# Allegro board LED_FIN.brd (continued)
## Nets (continued)
COL_CON_A55: J4.16(DIP_16) U219.1(GATE)
COL_CON_A56: J4.17(DIP_17) U218.1(GATE)
COL_CON_A57: J4.18(DIP_18) U217.1(GATE)
COL_CON_A58: J4.19(DIP_19) U216.1(GATE)
COL_CON_A59: J4.20(DIP_20) U215.1(GATE)
COL_CON_A60: J4.21(DIP_21) U214.1(GATE)
COL_CON_A61: J4.22(DIP_22) U213.1(GATE)
COL_CON_A62: J4.23(DIP_23) U212.1(GATE)
COL_CON_A63: J4.24(DIP_24) U211.1(GATE)
COL_CON_A64: J4.25(DIP_25) U210.1(GATE)
COL_CON_A65: J4.26(DIP_26) U209.1(GATE)
COL_CON_A66: J4.27(DIP_27) U208.1(GATE)
COL_CON_A67: J4.28(DIP_28) U207.1(GATE)
COL_CON_A68: J4.29(DIP_29) U206.1(GATE)
COL_CON_A69: J4.30(DIP_30) U205.1(GATE)
COL_CON_A70: J4.31(DIP_31) U204.1(GATE)
COL_CON_A71: J4.32(DIP_32) U203.1(GATE)
COL_CON_A72: J4.33(DIP_33) U202.1(GATE)
COL_CON_A73: J4.34(DIP_34) U201.1(GATE)
COL_CON_A74: J4.35(DIP_35) U200.1(GATE)
COL_CON_A75: J4.36(DIP_36) U199.1(GATE)
COL_CON_A76: J4.37(DIP_37) U198.1(GATE)
COL_CON_A77: J4.38(DIP_38) U197.1(GATE)
COL_CON_A78: J4.39(DIP_39) U196.1(GATE)
COL_CON_A79: J4.40(DIP_40) U195.1(GATE)
COL_CON_A80: J5.1(DIP_1) U194.1(GATE)
COL_CON_A81: J5.2(DIP_2) U193.1(GATE)
COL_CON_A82: J5.3(DIP_3) U192.1(GATE)
COL_CON_A83: J5.4(DIP_4) U191.1(GATE)
COL_CON_A84: J5.5(DIP_5) U190.1(GATE)
COL_CON_A85: J5.6(DIP_6) U189.1(GATE)
COL_CON_A86: J5.7(DIP_7) U188.1(GATE)
COL_CON_A87: J5.8(DIP_8) U187.1(GATE)
COL_CON_A88: J5.9(DIP_9) U186.1(GATE)
COL_CON_A89: J5.10(DIP_10) U185.1(GATE)
COL_CON_A90: J5.11(DIP_11) U184.1(GATE)
COL_CON_A91: J5.12(DIP_12) U183.1(GATE)
COL_CON_A92: J5.13(DIP_13) U182.1(GATE)
COL_CON_A93: J5.14(DIP_14) U181.1(GATE)
COL_CON_A94: J5.15(DIP_15) U180.1(GATE)
COL_CON_A95: J5.16(DIP_16) U179.1(GATE)
COL_CON_A96: J5.17(DIP_17) U178.1(GATE)
COL_CON_A97: J5.18(DIP_18) U177.1(GATE)
COL_CON_A98: J5.19(DIP_19) U176.1(GATE)
COL_CON_A99: J5.20(DIP_20) U175.1(GATE)
COL_CON_A100: J5.21(DIP_21) U174.1(GATE)
COL_CON_A101: J5.22(DIP_22) U173.1(GATE)
COL_CON_A102: J5.23(DIP_23) U172.1(GATE)
COL_CON_A103: J5.24(DIP_24) U171.1(GATE)
COL_CON_A104: J5.25(DIP_25) U170.1(GATE)
COL_CON_A105: J5.26(DIP_26) U169.1(GATE)
COL_CON_A106: J5.27(DIP_27) U168.1(GATE)
COL_CON_A107: J5.28(DIP_28) U167.1(GATE)
COL_CON_A108: J5.29(DIP_29) U166.1(GATE)
COL_CON_A109: J5.30(DIP_30) U165.1(GATE)
COL_CON_A110: J5.31(DIP_31) U164.1(GATE)
COL_CON_A111: J5.32(DIP_32) U163.1(GATE)
COL_CON_A112: J5.33(DIP_33) U162.1(GATE)
COL_CON_A113: J5.34(DIP_34) U161.1(GATE)
COL_CON_A114: J5.35(DIP_35) U160.1(GATE)
COL_CON_A115: J5.36(DIP_36) U159.1(GATE)
COL_CON_A116: J5.37(DIP_37) U158.1(GATE)
COL_CON_A117: J5.38(DIP_38) U157.1(GATE)
COL_CON_A118: J5.39(DIP_39) U156.1(GATE)
COL_CON_A119: J5.40(DIP_40) U155.1(GATE)
COL_CON_B0: J3.41(DIP_41) U343.1(GATE)
COL_CON_B1: J3.42(DIP_42) U342.1(GATE)
COL_CON_B2: J3.43(DIP_43) U341.1(GATE)
COL_CON_B3: J3.44(DIP_44) U340.1(GATE)
COL_CON_B4: J3.45(DIP_45) U339.1(GATE)
COL_CON_B5: J3.46(DIP_46) U338.1(GATE)
COL_CON_B6: J3.47(DIP_47) U337.1(GATE)
COL_CON_B7: J3.48(DIP_48) U336.1(GATE)
COL_CON_B8: J3.49(DIP_49) U335.1(GATE)
COL_CON_B9: J3.50(DIP_50) U334.1(GATE)
COL_CON_B10: J3.51(DIP_51) U333.1(GATE)
COL_CON_B11: J3.52(DIP_52) U332.1(GATE)
COL_CON_B12: J3.53(DIP_53) U331.1(GATE)
COL_CON_B13: J3.54(DIP_54) U330.1(GATE)
COL_CON_B14: J3.55(DIP_55) U329.1(GATE)
COL_CON_B15: J3.56(DIP_56) U328.1(GATE)
COL_CON_B16: J3.57(DIP_57) U327.1(GATE)
COL_CON_B17: J3.58(DIP_58) U326.1(GATE)
COL_CON_B18: J3.59(DIP_59) U325.1(GATE)
COL_CON_B19: J3.60(DIP_60) U324.1(GATE)
COL_CON_B20: J3.61(DIP_61) U323.1(GATE)
COL_CON_B21: J3.62(DIP_62) U322.1(GATE)
COL_CON_B22: J3.63(DIP_63) U321.1(GATE)
COL_CON_B23: J3.64(DIP_64) U320.1(GATE)
COL_CON_B24: J3.65(DIP_65) U319.1(GATE)
COL_CON_B25: J3.66(DIP_66) U318.1(GATE)
COL_CON_B26: J3.67(DIP_67) U317.1(GATE)
COL_CON_B27: J3.68(DIP_68) U316.1(GATE)
COL_CON_B28: J3.69(DIP_69) U315.1(GATE)
COL_CON_B29: J3.70(DIP_70) U314.1(GATE)
COL_CON_B30: J3.71(DIP_71) U311.1(GATE)
COL_CON_B31: J3.72(DIP_72) U310.1(GATE)
COL_CON_B32: J3.73(DIP_73) U309.1(GATE)
COL_CON_B33: J3.74(DIP_74) U308.1(GATE)
COL_CON_B34: J3.75(DIP_75) U307.1(GATE)
COL_CON_B35: J3.76(DIP_76) U306.1(GATE)
COL_CON_B36: J3.77(DIP_77) U305.1(GATE)
COL_CON_B37: J3.78(DIP_78) U304.1(GATE)
COL_CON_B38: J3.79(DIP_79) U303.1(GATE)
COL_CON_B39: J3.80(DIP_80) U302.1(GATE)
COL_CON_B40: J4.41(DIP_41) U301.1(GATE)
COL_CON_B41: J4.42(DIP_42) U300.1(GATE)
COL_CON_B42: J4.43(DIP_43) U299.1(GATE)
COL_CON_B43: J4.44(DIP_44) U298.1(GATE)
COL_CON_B44: J4.45(DIP_45) U297.1(GATE)
COL_CON_B45: J4.46(DIP_46) U296.1(GATE)
COL_CON_B46: J4.47(DIP_47) U295.1(GATE)
COL_CON_B47: J4.48(DIP_48) U294.1(GATE)
COL_CON_B48: J4.49(DIP_49) U293.1(GATE)
COL_CON_B49: J4.50(DIP_50) U292.1(GATE)
COL_CON_B50: J4.51(DIP_51) U291.1(GATE)
COL_CON_B51: J4.52(DIP_52) U290.1(GATE)
COL_CON_B52: J4.53(DIP_53) U289.1(GATE)
COL_CON_B53: J4.54(DIP_54) U288.1(GATE)
COL_CON_B54: J4.55(DIP_55) U287.1(GATE)
COL_CON_B55: J4.56(DIP_56) U286.1(GATE)
COL_CON_B56: J4.57(DIP_57) U285.1(GATE)
COL_CON_B57: J4.58(DIP_58) U284.1(GATE)
COL_CON_B58: J4.59(DIP_59) U283.1(GATE)
COL_CON_B59: J4.60(DIP_60) U282.1(GATE)
COL_CON_B60: J4.61(DIP_61) U281.1(GATE)
COL_CON_B61: J4.62(DIP_62) U280.1(GATE)
COL_CON_B62: J4.63(DIP_63) U279.1(GATE)
COL_CON_B63: J4.64(DIP_64) U278.1(GATE)
COL_CON_B64: J4.65(DIP_65) U277.1(GATE)
COL_CON_B65: J4.66(DIP_66) U276.1(GATE)
COL_CON_B66: J4.67(DIP_67) U275.1(GATE)
COL_CON_B67: J4.68(DIP_68) U394.1(GATE)
COL_CON_B68: J4.69(DIP_69) U393.1(GATE)
COL_CON_B69: J4.70(DIP_70) U392.1(GATE)
COL_CON_B70: J4.71(DIP_71) U391.1(GATE)
COL_CON_B71: J4.72(DIP_72) U390.1(GATE)
COL_CON_B72: J4.73(DIP_73) U389.1(GATE)
COL_CON_B73: J4.74(DIP_74) U388.1(GATE)
COL_CON_B74: J4.75(DIP_75) U387.1(GATE)
COL_CON_B75: J4.76(DIP_76) U386.1(GATE)
COL_CON_B76: J4.77(DIP_77) U385.1(GATE)
COL_CON_B77: J4.78(DIP_78) U384.1(GATE)
COL_CON_B78: J4.79(DIP_79) U383.1(GATE)
COL_CON_B79: J4.80(DIP_80) U382.1(GATE)
COL_CON_B80: J5.41(DIP_41) U381.1(GATE)
COL_CON_B81: J5.42(DIP_42) U380.1(GATE)
COL_CON_B82: J5.43(DIP_43) U379.1(GATE)
COL_CON_B83: J5.44(DIP_44) U378.1(GATE)
COL_CON_B84: J5.45(DIP_45) U377.1(GATE)
COL_CON_B85: J5.46(DIP_46) U376.1(GATE)
COL_CON_B86: J5.47(DIP_47) U375.1(GATE)
COL_CON_B87: J5.48(DIP_48) U374.1(GATE)
COL_CON_B88: J5.49(DIP_49) U373.1(GATE)
COL_CON_B89: J5.50(DIP_50) U372.1(GATE)
COL_CON_B90: J5.51(DIP_51) U371.1(GATE)
COL_CON_B91: J5.52(DIP_52) U370.1(GATE)
COL_CON_B92: J5.53(DIP_53) U369.1(GATE)
COL_CON_B93: J5.54(DIP_54) U368.1(GATE)
COL_CON_B94: J5.55(DIP_55) U367.1(GATE)
COL_CON_B95: J5.56(DIP_56) U366.1(GATE)
COL_CON_B96: J5.57(DIP_57) U365.1(GATE)
COL_CON_B97: J5.58(DIP_58) U364.1(GATE)
COL_CON_B98: J5.59(DIP_59) U363.1(GATE)
COL_CON_B99: J5.60(DIP_60) U362.1(GATE)
COL_CON_B100: J5.61(DIP_61) U361.1(GATE)
COL_CON_B101: J5.62(DIP_62) U360.1(GATE)
COL_CON_B102: J5.63(DIP_63) U359.1(GATE)
COL_CON_B103: J5.64(DIP_64) U358.1(GATE)
COL_CON_B104: J5.65(DIP_65) U357.1(GATE)
COL_CON_B105: J5.66(DIP_66) U356.1(GATE)
COL_CON_B106: J5.67(DIP_67) U355.1(GATE)
COL_CON_B107: J5.68(DIP_68) U354.1(GATE)
COL_CON_B108: J5.69(DIP_69) U353.1(GATE)
COL_CON_B109: J5.70(DIP_70) U352.1(GATE)
COL_CON_B110: J5.71(DIP_71) U351.1(GATE)
COL_CON_B111: J5.72(DIP_72) U350.1(GATE)
COL_CON_B112: J5.73(DIP_73) U349.1(GATE)
COL_CON_B113: J5.74(DIP_74) U348.1(GATE)
COL_CON_B114: J5.75(DIP_75) U347.1(GATE)
COL_CON_B115: J5.76(DIP_76) U346.1(GATE)
COL_CON_B116: J5.77(DIP_77) U345.1(GATE)
COL_CON_B117: J5.78(DIP_78) U344.1(GATE)
COL_CON_B118: J5.79(DIP_79) U313.1(GATE)
COL_CON_B119: J5.80(DIP_80) U312.1(GATE)
COL_CON_C0: J6.1(DIP_1) U463.1(GATE)
COL_CON_C1: J6.2(DIP_2) U462.1(GATE)
COL_CON_C2: J6.3(DIP_3) U461.1(GATE)
COL_CON_C3: J6.4(DIP_4) U460.1(GATE)
COL_CON_C4: J6.5(DIP_5) U459.1(GATE)
COL_CON_C5: J6.6(DIP_6) U458.1(GATE)
COL_CON_C6: J6.7(DIP_7) U457.1(GATE)
COL_CON_C7: J6.8(DIP_8) U456.1(GATE)
COL_CON_C8: J6.9(DIP_9) U455.1(GATE)
COL_CON_C9: J6.10(DIP_10) U454.1(GATE)
COL_CON_C10: J6.11(DIP_11) U453.1(GATE)
COL_CON_C11: J6.12(DIP_12) U452.1(GATE)
COL_CON_C12: J6.13(DIP_13) U451.1(GATE)
COL_CON_C13: J6.14(DIP_14) U450.1(GATE)
COL_CON_C14: J6.15(DIP_15) U449.1(GATE)
COL_CON_C15: J6.16(DIP_16) U448.1(GATE)
COL_CON_C16: J6.17(DIP_17) U447.1(GATE)
COL_CON_C17: J6.18(DIP_18) U446.1(GATE)
COL_CON_C18: J6.19(DIP_19) U445.1(GATE)
COL_CON_C19: J6.20(DIP_20) U444.1(GATE)
COL_CON_C20: J6.21(DIP_21) U443.1(GATE)
COL_CON_C21: J6.22(DIP_22) U442.1(GATE)
COL_CON_C22: J6.23(DIP_23) U441.1(GATE)
COL_CON_C23: J6.24(DIP_24) U440.1(GATE)
COL_CON_C24: J6.25(DIP_25) U439.1(GATE)
COL_CON_C25: J6.26(DIP_26) U438.1(GATE)
COL_CON_C26: J6.27(DIP_27) U437.1(GATE)
COL_CON_C27: J6.28(DIP_28) U436.1(GATE)
COL_CON_C28: J6.29(DIP_29) U435.1(GATE)
COL_CON_C29: J6.30(DIP_30) U434.1(GATE)
COL_CON_C30: J6.31(DIP_31) U431.1(GATE)
COL_CON_C31: J6.32(DIP_32) U430.1(GATE)
COL_CON_C32: J6.33(DIP_33) U429.1(GATE)
COL_CON_C33: J6.34(DIP_34) U428.1(GATE)
COL_CON_C34: J6.35(DIP_35) U427.1(GATE)
COL_CON_C35: J6.36(DIP_36) U426.1(GATE)
COL_CON_C36: J6.37(DIP_37) U425.1(GATE)
COL_CON_C37: J6.38(DIP_38) U424.1(GATE)
COL_CON_C38: J6.39(DIP_39) U423.1(GATE)
COL_CON_C39: J6.40(DIP_40) U422.1(GATE)
COL_CON_C40: J7.1(DIP_1) U421.1(GATE)
COL_CON_C41: J7.2(DIP_2) U420.1(GATE)
COL_CON_C42: J7.3(DIP_3) U419.1(GATE)
COL_CON_C43: J7.4(DIP_4) U418.1(GATE)
COL_CON_C44: J7.5(DIP_5) U417.1(GATE)
COL_CON_C45: J7.6(DIP_6) U416.1(GATE)
COL_CON_C46: J7.7(DIP_7) U415.1(GATE)
COL_CON_C47: J7.8(DIP_8) U414.1(GATE)
COL_CON_C48: J7.9(DIP_9) U413.1(GATE)
COL_CON_C49: J7.10(DIP_10) U412.1(GATE)
COL_CON_C50: J7.11(DIP_11) U411.1(GATE)
COL_CON_C51: J7.12(DIP_12) U410.1(GATE)
COL_CON_C52: J7.13(DIP_13) U409.1(GATE)
COL_CON_C53: J7.14(DIP_14) U408.1(GATE)
COL_CON_C54: J7.15(DIP_15) U407.1(GATE)
COL_CON_C55: J7.16(DIP_16) U406.1(GATE)
COL_CON_C56: J7.17(DIP_17) U405.1(GATE)
COL_CON_C57: J7.18(DIP_18) U404.1(GATE)
COL_CON_C58: J7.19(DIP_19) U403.1(GATE)
COL_CON_C59: J7.20(DIP_20) U402.1(GATE)
COL_CON_C60: J7.21(DIP_21) U401.1(GATE)
COL_CON_C61: J7.22(DIP_22) U400.1(GATE)
COL_CON_C62: J7.23(DIP_23) U399.1(GATE)
COL_CON_C63: J7.24(DIP_24) U398.1(GATE)
COL_CON_C64: J7.25(DIP_25) U397.1(GATE)
COL_CON_C65: J7.26(DIP_26) U396.1(GATE)
COL_CON_C66: J7.27(DIP_27) U395.1(GATE)
COL_CON_C67: J7.28(DIP_28) U514.1(GATE)
COL_CON_C68: J7.29(DIP_29) U513.1(GATE)
COL_CON_C69: J7.30(DIP_30) U512.1(GATE)
COL_CON_C70: J7.31(DIP_31) U511.1(GATE)
COL_CON_C71: J7.32(DIP_32) U510.1(GATE)
COL_CON_C72: J7.33(DIP_33) U509.1(GATE)
COL_CON_C73: J7.34(DIP_34) U508.1(GATE)
COL_CON_C74: J7.35(DIP_35) U507.1(GATE)
COL_CON_C75: J7.36(DIP_36) U506.1(GATE)
COL_CON_C76: J7.37(DIP_37) U505.1(GATE)
COL_CON_C77: J7.38(DIP_38) U504.1(GATE)
COL_CON_C78: J7.39(DIP_39) U503.1(GATE)
COL_CON_C79: J7.40(DIP_40) U502.1(GATE)
COL_CON_C80: J8.1(DIP_1) U501.1(GATE)
COL_CON_C81: J8.2(DIP_2) U500.1(GATE)
COL_CON_C82: J8.3(DIP_3) U499.1(GATE)
COL_CON_C83: J8.4(DIP_4) U498.1(GATE)
COL_CON_C84: J8.5(DIP_5) U497.1(GATE)
COL_CON_C85: J8.6(DIP_6) U496.1(GATE)
COL_CON_C86: J8.7(DIP_7) U495.1(GATE)
COL_CON_C87: J8.8(DIP_8) U494.1(GATE)
COL_CON_C88: J8.9(DIP_9) U493.1(GATE)
COL_CON_C89: J8.10(DIP_10) U492.1(GATE)
COL_CON_C90: J8.11(DIP_11) U491.1(GATE)
COL_CON_C91: J8.12(DIP_12) U490.1(GATE)
COL_CON_C92: J8.13(DIP_13) U489.1(GATE)
COL_CON_C93: J8.14(DIP_14) U488.1(GATE)
COL_CON_C94: J8.15(DIP_15) U487.1(GATE)
COL_CON_C95: J8.16(DIP_16) U486.1(GATE)
COL_CON_C96: J8.17(DIP_17) U485.1(GATE)
COL_CON_C97: J8.18(DIP_18) U484.1(GATE)
COL_CON_C98: J8.19(DIP_19) U483.1(GATE)
COL_CON_C99: J8.20(DIP_20) U482.1(GATE)
COL_CON_C100: J8.21(DIP_21) U481.1(GATE)
COL_CON_C101: J8.22(DIP_22) U480.1(GATE)
COL_CON_C102: J8.23(DIP_23) U479.1(GATE)
COL_CON_C103: J8.24(DIP_24) U478.1(GATE)
COL_CON_C104: J8.25(DIP_25) U477.1(GATE)
COL_CON_C105: J8.26(DIP_26) U476.1(GATE)
COL_CON_C106: J8.27(DIP_27) U475.1(GATE)
COL_CON_C107: J8.28(DIP_28) U474.1(GATE)
COL_CON_C108: J8.29(DIP_29) U473.1(GATE)
COL_CON_C109: J8.30(DIP_30) U472.1(GATE)
COL_CON_C110: J8.31(DIP_31) U471.1(GATE)
COL_CON_C111: J8.32(DIP_32) U470.1(GATE)
COL_CON_C112: J8.33(DIP_33) U469.1(GATE)
COL_CON_C113: J8.34(DIP_34) U468.1(GATE)
COL_CON_C114: J8.35(DIP_35) U467.1(GATE)
COL_CON_C115: J8.36(DIP_36) U466.1(GATE)
COL_CON_C116: J8.37(DIP_37) U465.1(GATE)
COL_CON_C117: J8.38(DIP_38) U464.1(GATE)
COL_CON_C118: J8.39(DIP_39) U433.1(GATE)
COL_CON_C119: J8.40(DIP_40) U432.1(GATE)
COL_OUT_A0: D3450.1(CATHODE) D3480.1(CATHODE) D3510.1(CATHODE) D3540.1(CATHODE) D3570.1(CATHODE) D3600.1(CATHODE) D3630.1(CATHODE) D3660.1(CATHODE) D3690.1(CATHODE) D3720.1(CATHODE) D3750.1(CATHODE) D3780.1(CATHODE) D3810.1(CATHODE) D3840.1(CATHODE) D3870.1(CATHODE) D3900.1(CATHODE) D3930.1(CATHODE) D3960.1(CATHODE) D3990.1(CATHODE) D4020.1(CATHODE) D4050.1(CATHODE) D4080.1(CATHODE) D4110.1(CATHODE) D4140.1(CATHODE) D4170.1(CATHODE) D4200.1(CATHODE) D4230.1(CATHODE) D4260.1(CATHODE) D4290.1(CATHODE) D4320.1(CATHODE) D4350.1(CATHODE) D4380.1(CATHODE) D4410.1(CATHODE) D4440.1(CATHODE) D4470.1(CATHODE) D4500.1(CATHODE) D4530.1(CATHODE) D4560.1(CATHODE) R120.1
COL_OUT_A1: D3449.1(CATHODE) D3479.1(CATHODE) D3509.1(CATHODE) D3539.1(CATHODE) D3569.1(CATHODE) D3599.1(CATHODE) D3629.1(CATHODE) D3659.1(CATHODE) D3689.1(CATHODE) D3719.1(CATHODE) D3749.1(CATHODE) D3779.1(CATHODE) D3809.1(CATHODE) D3839.1(CATHODE) D3869.1(CATHODE) D3899.1(CATHODE) D3929.1(CATHODE) D3959.1(CATHODE) D3989.1(CATHODE) D4019.1(CATHODE) D4049.1(CATHODE) D4079.1(CATHODE) D4109.1(CATHODE) D4139.1(CATHODE) D4169.1(CATHODE) D4199.1(CATHODE) D4229.1(CATHODE) D4259.1(CATHODE) D4289.1(CATHODE) D4319.1(CATHODE) D4349.1(CATHODE) D4379.1(CATHODE) D4409.1(CATHODE) D4439.1(CATHODE) D4469.1(CATHODE) D4499.1(CATHODE) D4529.1(CATHODE) D4559.1(CATHODE) R119.1
COL_OUT_A2: D3448.1(CATHODE) D3478.1(CATHODE) D3508.1(CATHODE) D3538.1(CATHODE) D3568.1(CATHODE) D3598.1(CATHODE) D3628.1(CATHODE) D3658.1(CATHODE) D3688.1(CATHODE) D3718.1(CATHODE) D3748.1(CATHODE) D3778.1(CATHODE) D3808.1(CATHODE) D3838.1(CATHODE) D3868.1(CATHODE) D3898.1(CATHODE) D3928.1(CATHODE) D3958.1(CATHODE) D3988.1(CATHODE) D4018.1(CATHODE) D4048.1(CATHODE) D4078.1(CATHODE) D4108.1(CATHODE) D4138.1(CATHODE) D4168.1(CATHODE) D4198.1(CATHODE) D4228.1(CATHODE) D4258.1(CATHODE) D4288.1(CATHODE) D4318.1(CATHODE) D4348.1(CATHODE) D4378.1(CATHODE) D4408.1(CATHODE) D4438.1(CATHODE) D4468.1(CATHODE) D4498.1(CATHODE) D4528.1(CATHODE) D4558.1(CATHODE) R118.1
COL_OUT_A3: D3447.1(CATHODE) D3477.1(CATHODE) D3507.1(CATHODE) D3537.1(CATHODE) D3567.1(CATHODE) D3597.1(CATHODE) D3627.1(CATHODE) D3657.1(CATHODE) D3687.1(CATHODE) D3717.1(CATHODE) D3747.1(CATHODE) D3777.1(CATHODE) D3807.1(CATHODE) D3837.1(CATHODE) D3867.1(CATHODE) D3897.1(CATHODE) D3927.1(CATHODE) D3957.1(CATHODE) D3987.1(CATHODE) D4017.1(CATHODE) D4047.1(CATHODE) D4077.1(CATHODE) D4107.1(CATHODE) D4137.1(CATHODE) D4167.1(CATHODE) D4197.1(CATHODE) D4227.1(CATHODE) D4257.1(CATHODE) D4287.1(CATHODE) D4317.1(CATHODE) D4347.1(CATHODE) D4377.1(CATHODE) D4407.1(CATHODE) D4437.1(CATHODE) D4467.1(CATHODE) D4497.1(CATHODE) D4527.1(CATHODE) D4557.1(CATHODE) R117.1
COL_OUT_A4: D3446.1(CATHODE) D3476.1(CATHODE) D3506.1(CATHODE) D3536.1(CATHODE) D3566.1(CATHODE) D3596.1(CATHODE) D3626.1(CATHODE) D3656.1(CATHODE) D3686.1(CATHODE) D3716.1(CATHODE) D3746.1(CATHODE) D3776.1(CATHODE) D3806.1(CATHODE) D3836.1(CATHODE) D3866.1(CATHODE) D3896.1(CATHODE) D3926.1(CATHODE) D3956.1(CATHODE) D3986.1(CATHODE) D4016.1(CATHODE) D4046.1(CATHODE) D4076.1(CATHODE) D4106.1(CATHODE) D4136.1(CATHODE) D4166.1(CATHODE) D4196.1(CATHODE) D4226.1(CATHODE) D4256.1(CATHODE) D4286.1(CATHODE) D4316.1(CATHODE) D4346.1(CATHODE) D4376.1(CATHODE) D4406.1(CATHODE) D4436.1(CATHODE) D4466.1(CATHODE) D4496.1(CATHODE) D4526.1(CATHODE) D4556.1(CATHODE) R116.1
COL_OUT_A5: D3445.1(CATHODE) D3475.1(CATHODE) D3505.1(CATHODE) D3535.1(CATHODE) D3565.1(CATHODE) D3595.1(CATHODE) D3625.1(CATHODE) D3655.1(CATHODE) D3685.1(CATHODE) D3715.1(CATHODE) D3745.1(CATHODE) D3775.1(CATHODE) D3805.1(CATHODE) D3835.1(CATHODE) D3865.1(CATHODE) D3895.1(CATHODE) D3925.1(CATHODE) D3955.1(CATHODE) D3985.1(CATHODE) D4015.1(CATHODE) D4045.1(CATHODE) D4075.1(CATHODE) D4105.1(CATHODE) D4135.1(CATHODE) D4165.1(CATHODE) D4195.1(CATHODE) D4225.1(CATHODE) D4255.1(CATHODE) D4285.1(CATHODE) D4315.1(CATHODE) D4345.1(CATHODE) D4375.1(CATHODE) D4405.1(CATHODE) D4435.1(CATHODE) D4465.1(CATHODE) D4495.1(CATHODE) D4525.1(CATHODE) D4555.1(CATHODE) R115.1
COL_OUT_A6: D3444.1(CATHODE) D3474.1(CATHODE) D3504.1(CATHODE) D3534.1(CATHODE) D3564.1(CATHODE) D3594.1(CATHODE) D3624.1(CATHODE) D3654.1(CATHODE) D3684.1(CATHODE) D3714.1(CATHODE) D3744.1(CATHODE) D3774.1(CATHODE) D3804.1(CATHODE) D3834.1(CATHODE) D3864.1(CATHODE) D3894.1(CATHODE) D3924.1(CATHODE) D3954.1(CATHODE) D3984.1(CATHODE) D4014.1(CATHODE) D4044.1(CATHODE) D4074.1(CATHODE) D4104.1(CATHODE) D4134.1(CATHODE) D4164.1(CATHODE) D4194.1(CATHODE) D4224.1(CATHODE) D4254.1(CATHODE) D4284.1(CATHODE) D4314.1(CATHODE) D4344.1(CATHODE) D4374.1(CATHODE) D4404.1(CATHODE) D4434.1(CATHODE) D4464.1(CATHODE) D4494.1(CATHODE) D4524.1(CATHODE) D4554.1(CATHODE) R114.1
COL_OUT_A7: D3443.1(CATHODE) D3473.1(CATHODE) D3503.1(CATHODE) D3533.1(CATHODE) D3563.1(CATHODE) D3593.1(CATHODE) D3623.1(CATHODE) D3653.1(CATHODE) D3683.1(CATHODE) D3713.1(CATHODE) D3743.1(CATHODE) D3773.1(CATHODE) D3803.1(CATHODE) D3833.1(CATHODE) D3863.1(CATHODE) D3893.1(CATHODE) D3923.1(CATHODE) D3953.1(CATHODE) D3983.1(CATHODE) D4013.1(CATHODE) D4043.1(CATHODE) D4073.1(CATHODE) D4103.1(CATHODE) D4133.1(CATHODE) D4163.1(CATHODE) D4193.1(CATHODE) D4223.1(CATHODE) D4253.1(CATHODE) D4283.1(CATHODE) D4313.1(CATHODE) D4343.1(CATHODE) D4373.1(CATHODE) D4403.1(CATHODE) D4433.1(CATHODE) D4463.1(CATHODE) D4493.1(CATHODE) D4523.1(CATHODE) D4553.1(CATHODE) R113.1
COL_OUT_A8: D3442.1(CATHODE) D3472.1(CATHODE) D3502.1(CATHODE) D3532.1(CATHODE) D3562.1(CATHODE) D3592.1(CATHODE) D3622.1(CATHODE) D3652.1(CATHODE) D3682.1(CATHODE) D3712.1(CATHODE) D3742.1(CATHODE) D3772.1(CATHODE) D3802.1(CATHODE) D3832.1(CATHODE) D3862.1(CATHODE) D3892.1(CATHODE) D3922.1(CATHODE) D3952.1(CATHODE) D3982.1(CATHODE) D4012.1(CATHODE) D4042.1(CATHODE) D4072.1(CATHODE) D4102.1(CATHODE) D4132.1(CATHODE) D4162.1(CATHODE) D4192.1(CATHODE) D4222.1(CATHODE) D4252.1(CATHODE) D4282.1(CATHODE) D4312.1(CATHODE) D4342.1(CATHODE) D4372.1(CATHODE) D4402.1(CATHODE) D4432.1(CATHODE) D4462.1(CATHODE) D4492.1(CATHODE) D4522.1(CATHODE) D4552.1(CATHODE) R112.1
COL_OUT_A9: D3441.1(CATHODE) D3471.1(CATHODE) D3501.1(CATHODE) D3531.1(CATHODE) D3561.1(CATHODE) D3591.1(CATHODE) D3621.1(CATHODE) D3651.1(CATHODE) D3681.1(CATHODE) D3711.1(CATHODE) D3741.1(CATHODE) D3771.1(CATHODE) D3801.1(CATHODE) D3831.1(CATHODE) D3861.1(CATHODE) D3891.1(CATHODE) D3921.1(CATHODE) D3951.1(CATHODE) D3981.1(CATHODE) D4011.1(CATHODE) D4041.1(CATHODE) D4071.1(CATHODE) D4101.1(CATHODE) D4131.1(CATHODE) D4161.1(CATHODE) D4191.1(CATHODE) D4221.1(CATHODE) D4251.1(CATHODE) D4281.1(CATHODE) D4311.1(CATHODE) D4341.1(CATHODE) D4371.1(CATHODE) D4401.1(CATHODE) D4431.1(CATHODE) D4461.1(CATHODE) D4491.1(CATHODE) D4521.1(CATHODE) D4551.1(CATHODE) R111.1
COL_OUT_A10: D3440.1(CATHODE) D3470.1(CATHODE) D3500.1(CATHODE) D3530.1(CATHODE) D3560.1(CATHODE) D3590.1(CATHODE) D3620.1(CATHODE) D3650.1(CATHODE) D3680.1(CATHODE) D3710.1(CATHODE) D3740.1(CATHODE) D3770.1(CATHODE) D3800.1(CATHODE) D3830.1(CATHODE) D3860.1(CATHODE) D3890.1(CATHODE) D3920.1(CATHODE) D3950.1(CATHODE) D3980.1(CATHODE) D4010.1(CATHODE) D4040.1(CATHODE) D4070.1(CATHODE) D4100.1(CATHODE) D4130.1(CATHODE) D4160.1(CATHODE) D4190.1(CATHODE) D4220.1(CATHODE) D4250.1(CATHODE) D4280.1(CATHODE) D4310.1(CATHODE) D4340.1(CATHODE) D4370.1(CATHODE) D4400.1(CATHODE) D4430.1(CATHODE) D4460.1(CATHODE) D4490.1(CATHODE) D4520.1(CATHODE) D4550.1(CATHODE) R110.1
COL_OUT_A11: D3439.1(CATHODE) D3469.1(CATHODE) D3499.1(CATHODE) D3529.1(CATHODE) D3559.1(CATHODE) D3589.1(CATHODE) D3619.1(CATHODE) D3649.1(CATHODE) D3679.1(CATHODE) D3709.1(CATHODE) D3739.1(CATHODE) D3769.1(CATHODE) D3799.1(CATHODE) D3829.1(CATHODE) D3859.1(CATHODE) D3889.1(CATHODE) D3919.1(CATHODE) D3949.1(CATHODE) D3979.1(CATHODE) D4009.1(CATHODE) D4039.1(CATHODE) D4069.1(CATHODE) D4099.1(CATHODE) D4129.1(CATHODE) D4159.1(CATHODE) D4189.1(CATHODE) D4219.1(CATHODE) D4249.1(CATHODE) D4279.1(CATHODE) D4309.1(CATHODE) D4339.1(CATHODE) D4369.1(CATHODE) D4399.1(CATHODE) D4429.1(CATHODE) D4459.1(CATHODE) D4489.1(CATHODE) D4519.1(CATHODE) D4549.1(CATHODE) R109.1
COL_OUT_A12: D3438.1(CATHODE) D3468.1(CATHODE) D3498.1(CATHODE) D3528.1(CATHODE) D3558.1(CATHODE) D3588.1(CATHODE) D3618.1(CATHODE) D3648.1(CATHODE) D3678.1(CATHODE) D3708.1(CATHODE) D3738.1(CATHODE) D3768.1(CATHODE) D3798.1(CATHODE) D3828.1(CATHODE) D3858.1(CATHODE) D3888.1(CATHODE) D3918.1(CATHODE) D3948.1(CATHODE) D3978.1(CATHODE) D4008.1(CATHODE) D4038.1(CATHODE) D4068.1(CATHODE) D4098.1(CATHODE) D4128.1(CATHODE) D4158.1(CATHODE) D4188.1(CATHODE) D4218.1(CATHODE) D4248.1(CATHODE) D4278.1(CATHODE) D4308.1(CATHODE) D4338.1(CATHODE) D4368.1(CATHODE) D4398.1(CATHODE) D4428.1(CATHODE) D4458.1(CATHODE) D4488.1(CATHODE) D4518.1(CATHODE) D4548.1(CATHODE) R108.1
COL_OUT_A13: D3437.1(CATHODE) D3467.1(CATHODE) D3497.1(CATHODE) D3527.1(CATHODE) D3557.1(CATHODE) D3587.1(CATHODE) D3617.1(CATHODE) D3647.1(CATHODE) D3677.1(CATHODE) D3707.1(CATHODE) D3737.1(CATHODE) D3767.1(CATHODE) D3797.1(CATHODE) D3827.1(CATHODE) D3857.1(CATHODE) D3887.1(CATHODE) D3917.1(CATHODE) D3947.1(CATHODE) D3977.1(CATHODE) D4007.1(CATHODE) D4037.1(CATHODE) D4067.1(CATHODE) D4097.1(CATHODE) D4127.1(CATHODE) D4157.1(CATHODE) D4187.1(CATHODE) D4217.1(CATHODE) D4247.1(CATHODE) D4277.1(CATHODE) D4307.1(CATHODE) D4337.1(CATHODE) D4367.1(CATHODE) D4397.1(CATHODE) D4427.1(CATHODE) D4457.1(CATHODE) D4487.1(CATHODE) D4517.1(CATHODE) D4547.1(CATHODE) R107.1
COL_OUT_A14: D3436.1(CATHODE) D3466.1(CATHODE) D3496.1(CATHODE) D3526.1(CATHODE) D3556.1(CATHODE) D3586.1(CATHODE) D3616.1(CATHODE) D3646.1(CATHODE) D3676.1(CATHODE) D3706.1(CATHODE) D3736.1(CATHODE) D3766.1(CATHODE) D3796.1(CATHODE) D3826.1(CATHODE) D3856.1(CATHODE) D3886.1(CATHODE) D3916.1(CATHODE) D3946.1(CATHODE) D3976.1(CATHODE) D4006.1(CATHODE) D4036.1(CATHODE) D4066.1(CATHODE) D4096.1(CATHODE) D4126.1(CATHODE) D4156.1(CATHODE) D4186.1(CATHODE) D4216.1(CATHODE) D4246.1(CATHODE) D4276.1(CATHODE) D4306.1(CATHODE) D4336.1(CATHODE) D4366.1(CATHODE) D4396.1(CATHODE) D4426.1(CATHODE) D4456.1(CATHODE) D4486.1(CATHODE) D4516.1(CATHODE) D4546.1(CATHODE) R106.1
COL_OUT_A15: D3435.1(CATHODE) D3465.1(CATHODE) D3495.1(CATHODE) D3525.1(CATHODE) D3555.1(CATHODE) D3585.1(CATHODE) D3615.1(CATHODE) D3645.1(CATHODE) D3675.1(CATHODE) D3705.1(CATHODE) D3735.1(CATHODE) D3765.1(CATHODE) D3795.1(CATHODE) D3825.1(CATHODE) D3855.1(CATHODE) D3885.1(CATHODE) D3915.1(CATHODE) D3945.1(CATHODE) D3975.1(CATHODE) D4005.1(CATHODE) D4035.1(CATHODE) D4065.1(CATHODE) D4095.1(CATHODE) D4125.1(CATHODE) D4155.1(CATHODE) D4185.1(CATHODE) D4215.1(CATHODE) D4245.1(CATHODE) D4275.1(CATHODE) D4305.1(CATHODE) D4335.1(CATHODE) D4365.1(CATHODE) D4395.1(CATHODE) D4425.1(CATHODE) D4455.1(CATHODE) D4485.1(CATHODE) D4515.1(CATHODE) D4545.1(CATHODE) R105.1
COL_OUT_A16: D3434.1(CATHODE) D3464.1(CATHODE) D3494.1(CATHODE) D3524.1(CATHODE) D3554.1(CATHODE) D3584.1(CATHODE) D3614.1(CATHODE) D3644.1(CATHODE) D3674.1(CATHODE) D3704.1(CATHODE) D3734.1(CATHODE) D3764.1(CATHODE) D3794.1(CATHODE) D3824.1(CATHODE) D3854.1(CATHODE) D3884.1(CATHODE) D3914.1(CATHODE) D3944.1(CATHODE) D3974.1(CATHODE) D4004.1(CATHODE) D4034.1(CATHODE) D4064.1(CATHODE) D4094.1(CATHODE) D4124.1(CATHODE) D4154.1(CATHODE) D4184.1(CATHODE) D4214.1(CATHODE) D4244.1(CATHODE) D4274.1(CATHODE) D4304.1(CATHODE) D4334.1(CATHODE) D4364.1(CATHODE) D4394.1(CATHODE) D4424.1(CATHODE) D4454.1(CATHODE) D4484.1(CATHODE) D4514.1(CATHODE) D4544.1(CATHODE) R104.1
COL_OUT_A17: D3433.1(CATHODE) D3463.1(CATHODE) D3493.1(CATHODE) D3523.1(CATHODE) D3553.1(CATHODE) D3583.1(CATHODE) D3613.1(CATHODE) D3643.1(CATHODE) D3673.1(CATHODE) D3703.1(CATHODE) D3733.1(CATHODE) D3763.1(CATHODE) D3793.1(CATHODE) D3823.1(CATHODE) D3853.1(CATHODE) D3883.1(CATHODE) D3913.1(CATHODE) D3943.1(CATHODE) D3973.1(CATHODE) D4003.1(CATHODE) D4033.1(CATHODE) D4063.1(CATHODE) D4093.1(CATHODE) D4123.1(CATHODE) D4153.1(CATHODE) D4183.1(CATHODE) D4213.1(CATHODE) D4243.1(CATHODE) D4273.1(CATHODE) D4303.1(CATHODE) D4333.1(CATHODE) D4363.1(CATHODE) D4393.1(CATHODE) D4423.1(CATHODE) D4453.1(CATHODE) D4483.1(CATHODE) D4513.1(CATHODE) D4543.1(CATHODE) R103.1
COL_OUT_A18: D3432.1(CATHODE) D3462.1(CATHODE) D3492.1(CATHODE) D3522.1(CATHODE) D3552.1(CATHODE) D3582.1(CATHODE) D3612.1(CATHODE) D3642.1(CATHODE) D3672.1(CATHODE) D3702.1(CATHODE) D3732.1(CATHODE) D3762.1(CATHODE) D3792.1(CATHODE) D3822.1(CATHODE) D3852.1(CATHODE) D3882.1(CATHODE) D3912.1(CATHODE) D3942.1(CATHODE) D3972.1(CATHODE) D4002.1(CATHODE) D4032.1(CATHODE) D4062.1(CATHODE) D4092.1(CATHODE) D4122.1(CATHODE) D4152.1(CATHODE) D4182.1(CATHODE) D4212.1(CATHODE) D4242.1(CATHODE) D4272.1(CATHODE) D4302.1(CATHODE) D4332.1(CATHODE) D4362.1(CATHODE) D4392.1(CATHODE) D4422.1(CATHODE) D4452.1(CATHODE) D4482.1(CATHODE) D4512.1(CATHODE) D4542.1(CATHODE) R102.1
